# Allegro board 1155001-Timing_board_V3_20241024_1805_pcb.brd (continued)
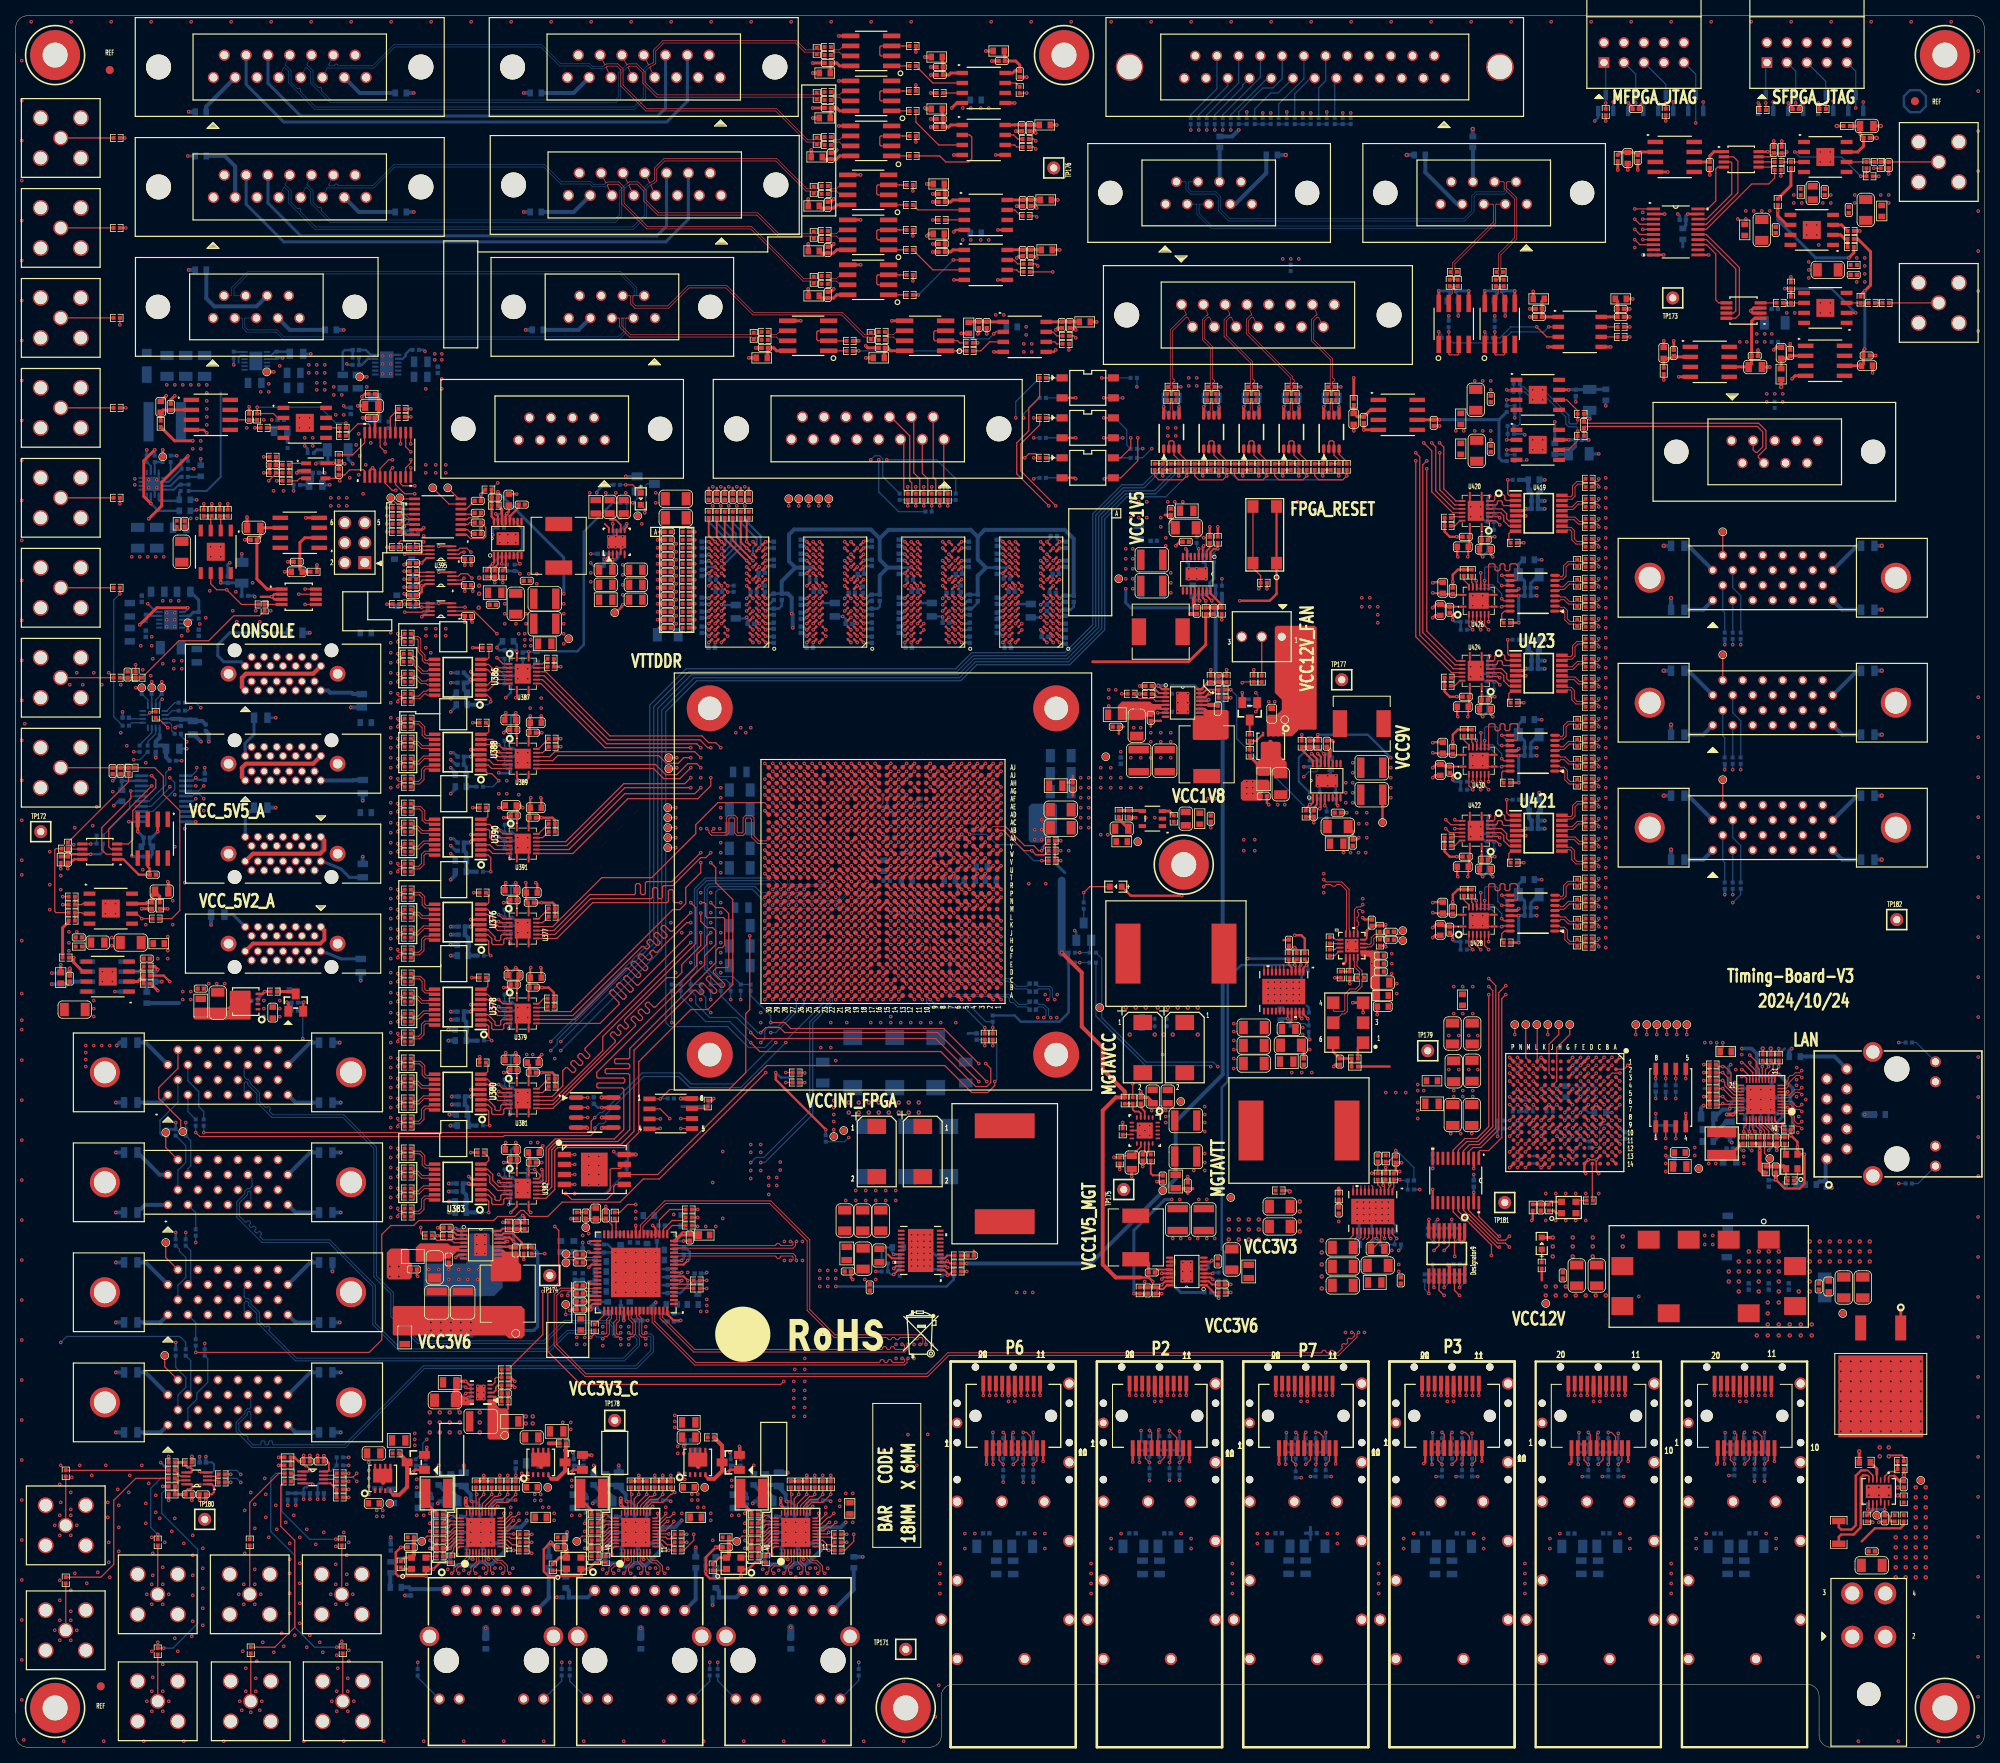
[diagram p0: board, top side]
## Routing (per net, layer and track width the routed paths; a pad name or vN(x,y) marks a point on that pad's centre or on a via; arc(x,y) is an arc through that point) (continued)
FAST_SHUTTER_OUT3-: length 11.2
  TOP w0.157: J103.11 111.14,169.02 113.54,166.62 113.54,160.91 113.79,160.66 113.79,159.79 R2423.1
FPGA_1_25M_OSC_ETH: length 4
  TOP w0.157: U374.37 55.94,26.71 54.5,25.27 C2865.1 R2762.2
FPGA_1_ETH_INTB: length 122.9
  TOP w0.157: U247.E19 v1(106.14,99)
  ART05 w0.102: v1(106.14,99) 106.54,98.6 110.1,98.6 112.81,95.89 112.81,94.47
  ART05 w0.117: v1(52.58,28.45) 54.1,29.97 55.75,29.97 56.13,30.35 56.13,38.48 57.4,39.75 57.4,40.77 58.55,41.91 60.33,41.91 65.39,46.97 86.97,46.97 95,55 104.85,55 105.85,56 105.85,71.18 106.43,71.75 106.43,83.48 112.81,89.87 112.81,94.47
  BOTTOM w0.157: R2745.2 52.58,28.59 v1(52.58,28.45)
FPGA_1_ETH_LED0: length 3.5
  TOP w0.157: v1(54.97,28.75) 55.71,28.75 55.75,28.71 U374.32
  BOTTOM w0.157: R2760.2 54.67,28.45 v1(54.97,28.75) 55.56,29.34 R2771.1
FPGA_1_ETH_LED1: length 30.4
  TOP w0.157: U374.33 55.24,28.3 v1(54.97,28.03)
  ART05 w0.117: v1(54.97,28.03) 55,28.03 58.01,25.02 60.07,25.02 61.72,23.37 63.63,23.37 69.85,17.14 69.85,11.3 v1(69.34,10.79)
  BOTTOM w0.157: R2759.2 54.36,27.43 v1(54.97,28.03) 55.25,28.32 R2770.1 ; R2791.1 v1(69.34,10.79)
FPGA_1_ETH_LED2: length 26.5
  TOP w0.157: U374.34 55.71,27.9 55.13,27.32 v1(54.97,27.32) 54.36,27.32 R2758.2
  ART03 w0.117: v1(54.97,27.32) 54.44,26.8 51.31,26.8 48.39,23.88 48.39,13.46 v1(51.05,10.79)
  BOTTOM w0.157: v1(54.97,27.32) 55.23,27.32 55.24,27.3 R2769.1 ; R2790.1 v1(51.05,10.79)
FPGA_1_ETH_PWR_EN: length 116.3
  TOP w0.157: U247.D18 v1(107.14,98)
  ART03 w0.102: 106.74,94.53 106.74,97.6 v1(107.14,98)
  ART03 w0.117: v1(100.2,49.4) 97.16,52.45 97.16,64.9 106.43,74.17 106.43,90.68 106.74,90.99 106.74,94.53
  ART10 w0.117: v1(100.2,49.4) 100.2,49.15 100.71,48.64 100.71,41.91 98.3,39.5 91.31,39.5 89.61,37.8 83.24,37.8 82.93,38.1 53.21,38.1 v1(52.2,39.12)
  BOTTOM w0.157: R2775.2 51.69,37.48 51.69,38.61 v1(52.2,39.12)
FPGA_1_ETH_RESET_B: length 118.1
  TOP w0.157: v1(65.53,24.64) 65.15,25.02 R2747.2 ; U247.E11 v1(115.14,99)
  ART05 w0.102: v1(115.14,99) 115.54,98.6 118.41,98.6 118.74,98.28 118.74,95.66 119.56,94.84
  ART05 w0.117: 119.56,94.84 121.08,93.32 121.08,89.5 118.72,87.13 118.72,67.54 117.47,66.29 117.47,59.72 106.61,48.86 96.64,48.86 86.86,39.08 73.53,39.08 72.55,38.1 70.36,38.1 69.39,37.13 69.39,28.5 v1(65.53,24.64)
FPGA_1_ETH_TD_M_A: length 9.2
  TOP w0.122: v1(56.26,22.1) 55.98,22.38 55.98,22.66 56.34,23.01 56.63,23.01 57.62,24.01 57.62,24.4 57.65,24.43 U374.2
  ART10 w0.099: J109.3 57.24,19.29 56.86,18.92 56.62,18.84 56.39,18.95 56.21,18.95 56.06,19.1 56.06,19.56 56.14,19.64 56.14,20.43 55.99,20.59 55.99,20.74 56.23,20.99 56.23,21.28 55.99,21.53 55.99,21.82 v1(56.26,22.1)
FPGA_1_ETH_TD_M_B: length 12.5
  TOP w0.122: v1(58.42,22.1) 58.14,22.38 58.14,22.73 58.82,23.41 58.82,24.4 58.86,24.43 U374.5
  ART03 w0.099: v1(58.42,22.1) 58.15,21.82 58.15,21.32 58.75,20.72 58.75,19.66 58.16,19.07 58.16,18.86 58.39,18.63 59.34,18.63 59.66,18.95 60.43,18.95 60.63,18.75 60.73,18.62 60.75,18.58 60.89,18.55 61.39,18.88 62.01,18.88 62.32,19.19 J109.7
FPGA_1_ETH_TD_M_C: length 9.2
  TOP w0.122: U374.7 59.65,24.43 59.62,24.4 59.62,23.69 60.3,23.01 60.3,22.38 v1(60.58,22.1)
  ART10 w0.099: v1(60.58,22.1) 60.31,21.82 60.31,21.55 60.41,21.45 60.98,21.45 61.28,21.15 61.28,19.09 60.88,18.7 60.58,18.54 60.53,18.41 J109.6
FPGA_1_ETH_TD_M_D: length 12.5
  TOP w0.122: U374.10 60.86,24.43 60.82,24.4 60.82,24.15 61.22,23.75 61.75,23.75 62.46,23.04 62.46,22.38 v1(62.74,22.1)
  ART03 w0.099: v1(62.74,22.1) 62.46,21.82 62.46,21.68 62.56,21.59 62.96,21.59 63.54,22.16 64.17,22.16 64.66,21.68 64.66,21.17 63.85,20.36 63.85,19.6 63.59,19.34 63.59,19.05 63.69,18.95 64.01,18.95 64.21,18.85 64.76,18.85 64.86,18.95 J109.9
FPGA_1_ETH_TD_P_A: length 9.3
  TOP w0.122: v1(55.37,22.1) 55.65,22.38 55.65,22.79 56.2,23.34 56.49,23.34 57.29,24.14 57.29,24.4 57.25,24.43 U374.1
  ART10 w0.099: J109.2 56.48,18.41 56.44,18.54 56.31,18.61 56.07,18.61 55.71,18.96 55.71,19.7 55.8,19.78 55.8,20.29 55.65,20.45 55.65,21.82 v1(55.37,22.1)
FPGA_1_ETH_TD_P_B: length 12.6
  TOP w0.122: v1(57.53,22.1) 57.81,22.38 57.81,22.87 58.49,23.55 58.49,24.4 58.46,24.43 U374.4
  ART03 w0.099: J109.4 59,17.29 60.44,18.25 60.44,18.43 60.39,18.5 60.29,18.61 59.8,18.61 59.48,18.29 58.25,18.29 57.82,18.71 57.82,19.21 58.41,19.8 58.41,20.58 57.8,21.18 57.8,21.82 v1(57.53,22.1)
FPGA_1_ETH_TD_P_C: length 9.2
  TOP w0.122: v1(59.69,22.1) 59.97,22.38 59.97,22.88 59.29,23.56 59.29,24.4 59.25,24.43 U374.6
  ART10 w0.099: v1(59.69,22.1) 59.96,21.82 59.96,21.4 60.26,21.1 60.83,21.1 60.93,21 60.93,19.24 60.68,18.98 60.25,18.77 59.89,18.89 59.78,19.05 J109.5
FPGA_1_ETH_TD_P_D: length 12.5
  TOP w0.122: v1(61.85,22.1) 62.13,22.38 62.13,22.9 61.61,23.42 61.09,23.42 60.49,24.02 60.49,24.4 60.46,24.43 U374.9
  ART03 w0.099: J109.8 64.1,18.41 64.07,18.51 64.07,18.51 64.01,18.57 63.93,18.61 63.55,18.61 63.25,18.91 63.25,19.48 63.51,19.74 63.51,20.51 64.32,21.32 64.32,21.53 64.03,21.82 63.68,21.82 63.1,21.24 62.42,21.24 62.12,21.54 62.12,21.82 v1(61.85,22.1)
FPGA_1_RGMII_RX_CLK: length 132.3
  TOP w0.102: U247.H14 v1(112.14,103)
  TOP w0.157: U374.27 58.46,32.04 v1(58.55,32.13) 58.42,32.26 R2764.1
  ART05 w0.102: v1(112.14,103) 112.58,102.56 112.58,99.89 112.94,99.53 113.32,99.53 113.7,99.15 113.7,98.77 113.94,98.53 114.32,98.53 114.6,98.25 114.6,97.87 114.87,97.6 117.11,97.6 117.74,96.97 117.74,95.75 117.96,95.52 117.96,95.1 118.09,94.98
  ART05 w0.117: v1(58.55,32.13) 58.55,31.99 62.68,27.85 66.97,27.85 67.69,28.57 67.69,29.72 68.55,30.57 68.55,37.56 70.1,39.12 72.26,39.12 73.15,40.01 86.59,40.01 96.93,50.34 106.89,50.34 116.62,60.07 116.62,66.69 117.87,67.94 117.87,87.48 119.89,89.49 119.89,93.18 118.09,94.98
  BOTTOM w0.157: v1(58.55,32.13) 58.42,32.26 R2764.1
FPGA_1_RGMII_RX_CTL: length 131.1
  TOP w0.157: U247.E16 v1(110.14,99) ; U374.26 58.86,31.55 v1(59.44,32.13) R2765.1
  ART05 w0.102: 113.23,94.5 113.23,95.76 110.14,98.85 v1(110.14,99)
  ART05 w0.117: v1(59.44,32.13) 58.04,33.53 58.04,40.02 58.66,40.64 59.65,40.64 65.56,46.55 87.15,46.55 95.17,54.57 105.02,54.57 106.81,56.36 106.81,68.9 107.31,69.41 107.31,71.79 107.43,71.91 108.72,71.91 108.84,72.02 108.84,72.26 108.72,72.37 107.43,72.37 107.31,72.49 107.31,72.73 107.43,72.84 108.72,72.84 108.84,72.96 108.84,73.19 108.72,73.31 107.43,73.31 107.31,73.43 107.31,74.08 107.43,74.2 107.96,74.2 108.08,74.32 108.08,74.55 107.96,74.67 107.05,74.67 106.93,74.79 106.93,75.02 107.05,75.14 107.96,75.14 108.08,75.25 108.08,75.49 107.96,75.6 107.05,75.6 106.93,75.72 106.93,75.95 107.05,76.07 107.96,76.07 108.08,76.19 108.08,76.42 107.96,76.54 107.05,76.54 106.93,76.66 106.93,76.89 107.05,77.01 107.96,77.01 108.08,77.12 108.08,77.36 107.96,77.47 107.05,77.47 106.93,77.59 106.93,77.82 107.05,77.94 107.96,77.94 108.08,78.06 108.08,78.29 107.96,78.41 107.43,78.41 107.31,78.52 107.31,80.01 107.7,80.39 107.7,84.16 113.23,89.69 113.23,90.63 113.35,90.75 113.54,90.75 113.66,90.87 113.66,91.1 113.54,91.22 113.35,91.22 113.23,91.33 113.23,94.5 113.23,94.5
  BOTTOM w0.157: R2765.1 v1(59.44,32.13)
FPGA_1_RGMII_RXD0: length 130.7
  TOP w0.157: U374.25 59.25,30.93 v1(60.45,32.13) R2768.1 ; U247.E15 v1(111.14,99)
  ART05 w0.102: v1(111.14,99) 111.14,98.14 113.65,95.62 113.65,94.5
  ART05 w0.117: v1(60.45,32.13) 60.16,32.13 58.46,33.83 58.46,34.12 58.58,34.24 58.85,34.24 58.96,34.35 58.96,34.59 58.85,34.7 58.58,34.7 58.46,34.82 58.46,35.05 58.58,35.17 59.31,35.17 59.43,35.29 59.43,35.52 59.31,35.64 58.58,35.64 58.46,35.75 58.46,35.99 58.58,36.11 59.31,36.11 59.43,36.22 59.43,36.46 59.31,36.57 58.58,36.57 58.46,36.69 58.46,36.92 58.58,37.04 59.31,37.04 59.43,37.16 59.43,37.39 59.31,37.51 58.58,37.51 58.46,37.62 58.46,37.86 58.58,37.97 59.31,37.97 59.43,38.09 59.43,38.33 59.31,38.44 58.58,38.44 58.46,38.56 58.46,38.85 65.74,46.13 87.32,46.13 95.35,54.15 105.2,54.15 107.31,56.27 107.31,67.82 108.58,69.09 108.58,70.99 109.35,71.75 109.35,73.62 109.23,73.74 108.7,73.74 108.58,73.86 108.58,74.09 108.7,74.21 109.23,74.21 109.35,74.32 109.35,74.56 109.23,74.67 108.7,74.67 108.58,74.79 108.58,75.11 108.7,75.23 111.26,75.23 111.38,75.34 111.38,75.58 111.26,75.69 108.7,75.69 108.58,75.81 108.58,80.01 108.97,80.39 108.97,84.83 114.08,89.94 114.08,92.66 113.65,93.09 113.65,94.5
  BOTTOM w0.157: R2768.1 v1(60.45,32.13)
FPGA_1_RGMII_RXD1: length 125.6
  TOP w0.157: U247.A12 v1(114.14,95) ; R2756.2 v1(61.47,32.13) 61.21,31.88 60.83,31.88 59.65,30.7 U374.24
  ART05 w0.117: v1(61.47,32.13) 61.09,32.13 59.88,33.34 59.88,39.67 65.91,45.71 87.5,45.71 95.52,53.73 105.37,53.73 108.33,56.69 108.33,67.18 109.86,68.71 109.86,74.31 109.97,74.42 111.72,74.42 111.84,74.54 111.84,76.4 111.72,76.51 109.46,76.51 109.35,76.63 109.35,76.86 109.46,76.98 111.72,76.98 111.84,77.1 111.84,77.33 111.72,77.45 109.46,77.45 109.35,77.57 109.35,77.8 109.46,77.92 111.72,77.92 111.84,78.03 111.84,78.27 111.72,78.38 109.46,78.38 109.35,78.5 109.35,79.88 109.46,80 110.25,80 110.36,80.12 110.36,85.63 114.5,89.77 114.5,90.68 114.62,90.79 114.82,90.79 114.94,90.91 114.94,91.14 114.82,91.26 114.62,91.26 114.5,91.38 114.5,92.84 114.1,93.24 114.1,94.96 v1(114.14,95)
  BOTTOM w0.157: R2756.2 v1(61.47,32.13)
FPGA_1_RGMII_RXD2: length 128.3
  TOP w0.157: R2755.2 v1(62.48,32.13) 61.85,31.5 60.96,31.5 60.05,30.59 U374.23 ; U247.D14 v1(112.14,98)
  ART05 w0.102: v1(112.14,98) 112.14,97.43 113.96,95.6 114.1,95.6 114.54,95.17 114.54,94.57 114.49,94.53 114.49,94.5
  ART05 w0.117: 114.49,94.5 114.44,94.45 114.44,93.84 115.36,92.92 115.36,90.03 111.51,86.18 111.51,84.95 111.62,84.84 111.95,84.84 112.06,84.72 112.06,84.49 111.95,84.37 111.62,84.37 111.51,84.25 111.51,84.02 111.62,83.9 111.95,83.9 112.06,83.78 112.06,83.55 111.95,83.43 111.62,83.43 111.51,83.32 111.51,83.08 111.62,82.97 111.95,82.97 112.06,82.85 112.06,82.62 111.95,82.5 111.62,82.5 111.51,82.38 111.51,80.39 112.27,79.63 112.27,74.02 112.15,73.91 110.51,73.91 110.39,73.79 110.39,73.55 110.51,73.44 112.15,73.44 112.27,73.32 112.27,73.09 112.15,72.97 110.48,72.97 110.36,72.85 110.36,72.62 110.48,72.5 112.15,72.5 112.27,72.39 112.27,72.15 112.15,72.04 110.48,72.04 110.36,71.92 110.36,71.69 110.48,71.57 111.14,71.57 111.25,71.45 111.25,68.71 108.79,66.24 108.79,56.55 105.55,53.31 95.7,53.31 87.67,45.29 66.09,45.29 60.3,39.5 60.3,33.94 62.1,32.13 v1(62.48,32.13)
  BOTTOM w0.157: R2755.2 v1(62.48,32.13)
FPGA_1_RGMII_RXD3: length 126.1
  TOP w0.157: U247.B12 v1(114.14,96) ; R2752.2 v1(63.5,32.13) 62.48,31.11 61.09,31.11 60.46,30.48 U374.22
  ART05 w0.102: 114.79,94.5 114.79,94.53 114.74,94.57 114.74,95.4 v1(114.14,96)
  ART05 w0.117: 114.79,94.5 114.79,94.16 115.78,93.16 115.78,91.37 115.9,91.25 116.02,91.25 116.13,91.13 116.13,90.9 116.02,90.78 115.9,90.78 115.78,90.66 115.78,89.75 112.79,86.76 112.79,80.1 112.91,79.98 113.04,79.98 113.16,79.87 113.16,79.63 113.04,79.52 112.91,79.52 112.79,79.4 112.79,69.61 109.8,66.62 109.8,56.87 105.82,52.89 95.87,52.89 87.85,44.86 66.26,44.86 62.88,41.48 62.88,41.32 63.62,40.57 63.62,40.41 63.46,40.24 63.29,40.24 62.55,40.99 62.38,40.99 62.22,40.82 62.22,40.65 62.96,39.91 62.96,39.75 62.8,39.58 62.63,39.58 61.89,40.32 61.72,40.32 60.72,39.32 60.72,38.88 60.84,38.76 61.42,38.76 61.54,38.64 61.54,38.41 61.42,38.29 60.84,38.29 60.72,38.18 60.72,37.94 60.84,37.83 61.42,37.83 61.54,37.71 61.54,37.48 61.42,37.36 60.84,37.36 60.72,37.24 60.72,37.01 60.84,36.89 61.42,36.89 61.54,36.77 61.54,36.54 61.42,36.42 60.84,36.42 60.72,36.31 60.72,36.07 60.84,35.96 61.42,35.96 61.54,35.84 61.54,35.61 61.42,35.49 60.84,35.49 60.72,35.37 60.72,34.11 60.91,33.92 61.07,33.92 61.15,34.01 61.32,34.01 61.49,33.84 61.49,33.68 61.4,33.59 61.4,33.43 61.57,33.26 61.73,33.26 61.82,33.34 61.98,33.34 62.15,33.18 62.15,33.01 62.06,32.93 62.06,32.77 62.28,32.55 62.83,32.55 63.26,32.13 v1(63.5,32.13)
  BOTTOM w0.157: R2752.2 v1(63.5,32.13)
FPGA_1_RGMII_TX_CLK: length 118.1
  TOP w0.157: v1(61.98,29.72) 61.98,29.34 61.74,29.11 U374.20 ; U247.C12 v1(114.14,97)
  ART05 w0.102: 117.54,94.68 117.54,96.2 117.24,96.49 117.07,96.49 116.68,96.89 116.68,97.03 116.31,97.4 114.54,97.4 v1(114.14,97)
  ART05 w0.117: v1(61.98,29.72) 61.98,29.15 62.81,28.32 66.4,28.32 66.51,28.44 66.51,28.93 66.4,29.05 65.88,29.05 65.76,29.16 65.76,30.12 66.53,30.89 66.86,30.89 68.07,32.11 68.07,37.72 69.98,39.62 71.88,39.62 72.16,39.91 72.16,40.07 71.95,40.29 71.95,40.45 72.11,40.62 72.28,40.62 72.49,40.4 72.66,40.4 74.99,42.74 88.73,42.74 96.75,50.76 106.69,50.76 112.57,56.64 112.57,66.22 117.45,71.1 117.45,87.66 118.76,88.96 118.76,93.46 117.54,94.68
FPGA_1_RGMII_TX_CTL: length 116.2
  TOP w0.157: U374.19 61.98,28.71 62.87,29.59 v1(62.87,29.72) ; U247.A11 v1(115.14,95)
  ART05 w0.102: 115.14,94.5 v1(115.14,95)
  ART05 w0.117: v1(62.87,29.72) 62.44,30.14 62.44,30.78 62.61,30.94 63.65,30.94 64.09,31.38 64.09,32.3 63.71,32.68 63.71,32.84 64.17,33.3 64.17,33.46 64,33.63 63.84,33.63 63.38,33.17 63.22,33.17 62.99,33.4 62.99,34.96 63.11,35.08 63.23,35.08 63.34,35.2 63.34,35.43 63.23,35.55 63.11,35.55 62.99,35.66 62.99,35.9 63.11,36.01 63.23,36.01 63.34,36.13 63.34,36.36 63.23,36.48 63.11,36.48 62.99,36.6 62.99,37.8 69.64,44.44 88.02,44.44 96.04,52.47 106,52.47 110.23,56.7 110.23,66.42 114.1,70.29 114.1,82.47 114.22,82.58 114.89,82.58 115.01,82.7 115.01,82.93 114.89,83.05 114.22,83.05 114.1,83.17 114.1,83.4 114.22,83.52 114.89,83.52 115.01,83.64 115.01,83.87 114.89,83.99 114.22,83.99 114.1,84.1 114.1,84.34 114.22,84.45 114.89,84.45 115.01,84.57 115.01,84.8 114.89,84.92 114.22,84.92 114.1,85.04 114.1,87.47 116.64,90.01 116.64,92.91 115.14,94.41 115.14,94.5
FPGA_1_RGMII_TXD0: length 122.7
  TOP w0.157: v1(63.88,29.72) 63.45,29.29 63.05,29.29 62.07,28.3 U374.18 ; U247.E14 v1(112.14,99)
  ART05 w0.102: v1(112.14,99) 112.54,98.6 113.4,98.6 113.74,98.26 113.74,96.83 113.97,96.6 115.1,96.6 115.74,95.96 115.74,95.72 115.95,95.5 116.33,95.5 116.54,95.3 116.54,94.28
  ART05 w0.117: 116.54,94.28 117.91,92.91 117.91,89.31 116.61,88 116.61,71.52 111.08,65.99 111.08,56.35 106.35,51.62 96.39,51.62 88.37,43.6 69.99,43.6 67.06,40.67 67.06,38.27 66.94,38.15 66.16,38.15 66.04,38.04 66.04,37.8 66.16,37.69 66.94,37.69 67.06,37.57 67.06,37.34 66.94,37.22 66.16,37.22 66.04,37.1 66.04,36.87 66.16,36.75 66.94,36.75 67.06,36.64 67.06,36.4 66.94,36.29 66.16,36.29 66.04,36.17 66.04,35.93 66.16,35.82 66.94,35.82 67.06,35.7 67.06,35.47 66.94,35.35 66.16,35.35 66.04,35.23 66.04,35 66.16,34.88 66.94,34.88 67.06,34.77 67.06,34.48 65.05,32.48 65.05,31.08 63.88,29.91 v1(63.88,29.72)
FPGA_1_RGMII_TXD1: length 122.3
  TOP w0.157: U374.17 62.28,27.9 v1(63.21,28.83) ; U247.F15 v1(111.14,100)
  ART05 w0.102: v1(111.14,100) 111.59,99.54 111.59,98.97 112.16,98.4 113.3,98.4 113.54,98.17 113.54,96.73 113.87,96.4 114.3,96.4 114.58,96.12 114.58,95.98 115.16,95.4 115.3,95.4 115.7,95 115.7,94.66
  ART05 w0.117: v1(63.21,28.83) 63.37,29 63.37,30 64.63,31.26 64.63,32.65 65.53,33.55 65.53,39.74 69.81,44.02 88.2,44.02 96.22,52.04 106.17,52.04 110.66,56.53 110.66,66.17 116.19,71.7 116.19,79.55 116.07,79.67 115.31,79.67 115.19,79.78 115.19,80.02 115.31,80.13 116.07,80.13 116.19,80.25 116.19,80.49 116.07,80.6 115.31,80.6 115.19,80.72 115.19,80.95 115.31,81.07 116.07,81.07 116.19,81.19 116.19,81.42 116.07,81.54 115.31,81.54 115.19,81.65 115.19,81.89 115.31,82 116.07,82 116.19,82.12 116.19,88.18 117.06,89.05 117.06,89.84 117.18,89.95 117.29,89.95 117.41,90.07 117.41,90.3 117.29,90.42 117.18,90.42 117.06,90.54 117.06,90.77 117.18,90.89 117.29,90.89 117.41,91 117.41,91.24 117.29,91.35 117.18,91.35 117.06,91.47 117.06,93.13 115.7,94.49 115.7,94.66
FPGA_1_RGMII_TXD2: length 119.3
  TOP w0.157: U374.16 62.59,27.5 v1(63.92,28.83) ; U247.C11 v1(115.14,97)
  ART05 w0.102: 117,94.45 116.74,94.72 116.74,96 116.16,96.58 115.56,96.58 v1(115.14,97)
  ART05 w0.117: v1(63.92,28.83) 64.39,29.3 64.39,29.82 65.47,30.91 65.47,32.3 66.4,33.23 66.57,33.23 67.28,32.52 67.45,32.52 67.61,32.69 67.61,32.85 66.9,33.56 66.9,33.73 67.56,34.39 67.56,40.58 70.14,43.16 70.73,43.16 70.85,43.04 70.85,42.03 70.97,41.91 71.2,41.91 71.32,42.03 71.32,43.04 71.43,43.16 71.67,43.16 71.78,43.04 71.78,42.03 71.9,41.91 72.13,41.91 72.25,42.03 72.25,43.04 72.37,43.16 88.55,43.16 96.58,51.18 106.52,51.18 112.14,56.81 112.14,66.42 117.03,71.31 117.03,87.83 118.34,89.14 118.34,93.12 117,94.45
FPGA_1_RGMII_TXD3: length 119.6
  TOP w0.157: U247.D11 v1(115.14,98) ; U374.15 v1(63.25,27.11)
  ART05 w0.102: 119.28,94.5 118.54,95.24 118.54,98.19 118.33,98.4 115.54,98.4 v1(115.14,98)
  ART05 w0.117: v1(63.25,27.11) 64.59,27.11 65.08,26.61 66.87,26.61 68.97,28.71 68.97,37.35 70.23,38.61 72.39,38.61 73.3,39.52 86.71,39.52 97.1,49.92 107.07,49.92 117.04,59.89 117.04,66.47 118.3,67.72 118.3,87.31 120.6,89.61 120.6,93.18 119.28,94.5
FPGA_2_25M_OSC_ETH: length 4
  TOP w0.157: U325.37 75.62,26.71 74.19,25.27 C2615.1 R2488.2
FPGA_2_ETH_INTB: length 102.2
  TOP w0.157: U247.H16 v1(109.14,102)
  ART08 w0.117: v1(109.14,102) 109.64,101.5 109.64,94.14 109.09,93.6 109.09,73.32 108.71,72.94 108.71,58.42 105.79,55.5 89.03,55.5 77.72,44.19 77.72,39.45 75.56,37.29 75.56,30.23 75.39,30.06 73.96,30.06 72.35,28.45 v1(72.26,28.45)
  BOTTOM w0.157: v1(72.26,28.45) 72.26,28.83 72.9,29.46 R2471.2
FPGA_2_ETH_LED0: length 3.5
  TOP w0.157: v1(74.65,28.75) 75.39,28.75 75.43,28.71 U325.32
  BOTTOM w0.157: R2486.2 74.35,28.45 v1(74.65,28.75) 75.24,29.34 R2497.1
FPGA_2_ETH_LED1: length 29.8
  TOP w0.157: U325.33 74.92,28.3 v1(74.65,28.03)
  ART05 w0.117: v1(88.14,10.79) 88.65,11.3 88.65,15.37 86.41,17.6 86.41,19.74 81.76,24.38 78.3,24.38 v1(74.65,28.03)
  BOTTOM w0.157: R2485.2 74.05,27.43 v1(74.65,28.03) 74.94,28.32 R2496.1 ; R2575.1 v1(88.14,10.79)
FPGA_2_ETH_LED2: length 23
  TOP w0.157: R2484.2 74.04,27.32 v1(74.65,27.32) 74.79,27.32 75.37,27.9 U325.34
  ART03 w0.117: v1(70.36,10.79) 69.85,11.3 69.85,17.53 70.87,18.54 70.87,19.54 73.47,22.14 73.47,25.08 74.65,26.26 v1(74.65,27.32)
  BOTTOM w0.157: R2495.1 74.93,27.3 74.91,27.32 v1(74.65,27.32) ; R2573.1 v1(70.36,10.79)
FPGA_2_ETH_PWR_EN: length 104.2
  TOP w0.157: U247.F11 v1(115.14,100)
  ART05 w0.102: 120.62,94.5 120.62,95.33 119.66,96.29 119.66,98.31 118.48,99.49 115.65,99.49 v1(115.14,100)
  ART05 w0.117: v1(70.74,37.47) 72.52,37.47 73.71,38.66 87.04,38.66 96.82,48.44 106.78,48.44 117.89,59.55 117.89,66.07 119.14,67.32 119.14,86.96 121.59,89.41 121.59,93.51 120.62,94.48 120.62,94.5
  BOTTOM w0.356: v1(70.74,37.47) 70.87,37.34 R2536.2
FPGA_2_ETH_RESET_B: length 103.8
  TOP w0.157: U247.J11 v1(115.14,103) ; v1(86.11,27.05) 86.11,26.29 84.84,25.02 R2472.2
  ART08 w0.117: v1(115.14,103) 115.52,103 116.03,102.49 117.35,102.49 117.6,102.23 117.6,95.76 118.87,94.49 118.87,82.55 119.42,82 119.42,59.6 99.69,39.88 88.39,39.88 86.37,37.85 86.37,33.54 84.91,32.09 84.91,30.64 86.15,29.41 86.15,27.09 v1(86.11,27.05)
FPGA_2_ETH_TD_M_A: length 12.4
  TOP w0.122: v1(75.95,22.1) 75.67,22.38 75.67,22.66 76.02,23.01 76.83,23.01 77.3,23.48 77.3,24.4 77.34,24.43 U325.2
  ART10 w0.099: v1(75.95,22.1) 75.67,21.82 75.67,21.55 75.39,21.26 74.7,21.26 74.14,21.82 73.85,21.82 73.75,21.73 73.75,21.44 73.85,21.34 73.93,21.34 75,20.27 75,19.21 75.3,18.91 75.42,18.85 76.19,19.11 76.27,19.22 76.23,19.77 J106.3
FPGA_2_ETH_TD_M_B: length 15.8
  TOP w0.122: U325.5 78.54,24.43 78.51,24.4 78.51,23.41 77.83,22.73 77.83,22.38 v1(78.11,22.1)
  ART03 w0.099: v1(78.11,22.1) 77.79,21.78 77.79,21.55 77.21,20.97 75.2,20.97 75.06,20.82 75.06,19.41 75.55,18.91 76.69,18.91 76.94,19.15 77.62,19.15 77.87,18.91 79.04,18.91 79.5,18.45 79.72,18.4 81.02,19.27 J106.7
FPGA_2_ETH_TD_M_C: length 12.4
  TOP w0.122: U325.7 79.34,24.43 79.3,24.4 79.3,23.69 79.98,23.01 79.98,22.38 v1(80.26,22.1)
  ART10 w0.099: J106.6 79.44,18.26 79.54,18.54 79.65,18.62 79.82,18.62 79.9,18.55 81.67,18.55 82.44,19.32 82.44,20.58 81.46,21.56 80.09,21.56 79.99,21.66 79.99,21.82 v1(80.26,22.1)
FPGA_2_ETH_TD_M_D: length 14.9
  TOP w0.122: U325.10 80.54,24.43 80.51,24.4 80.51,24.15 80.91,23.75 81.43,23.75 82.14,23.04 82.14,22.38 v1(82.42,22.1)
  ART05 w0.099: J106.9 83.69,19.05 83.55,18.86 83.24,18.76 82.94,18.9 81.92,18.9 81.62,18.6 81.13,18.6 80.83,18.9 80.09,18.9 79.99,19 79.99,20.56 79.78,20.77 79.78,21.13 79.88,21.22 80.8,21.22 81.2,20.82 81.85,20.82 82.15,21.12 82.15,21.82 v1(82.42,22.1)
FPGA_2_ETH_TD_P_A: length 12.4
  TOP w0.122: U325.1 76.94,24.43 76.97,24.4 76.97,23.62 76.7,23.34 75.89,23.34 75.34,22.79 75.34,22.38 v1(75.06,22.1)
  ART10 w0.099: J106.2 75.32,18.41 75.27,18.54 75.1,18.63 74.66,19.07 74.66,20.13 73.79,20.99 73.71,20.99 73.41,21.29 73.41,21.87 73.71,22.17 74.28,22.17 74.85,21.6 75.24,21.6 75.33,21.69 75.33,21.82 v1(75.06,22.1)
FPGA_2_ETH_TD_P_B: length 15.7
  TOP w0.122: v1(77.22,22.1) 77.5,22.38 77.5,22.87 78.17,23.55 78.17,24.4 78.14,24.43 U325.4
  ART03 w0.099: J106.4 77.9,17.27 79.17,18.12 79.2,18.26 78.9,18.56 77.72,18.56 77.48,18.81 77.08,18.81 76.84,18.56 75.41,18.56 74.71,19.26 74.71,20.97 75.06,21.31 77.07,21.31 77.44,21.69 77.44,21.87 v1(77.22,22.1)
FPGA_2_ETH_TD_P_C: length 12.5
  TOP w0.122: U325.6 78.94,24.43 78.97,24.4 78.97,23.56 79.65,22.88 79.65,22.38 v1(79.38,22.1)
  ART10 w0.099: J106.5 78.61,19.33 79.02,18.92 79.4,18.92 79.48,18.96 79.97,18.96 80.04,18.89 81.52,18.89 82.1,19.47 82.1,20.44 81.32,21.22 80.93,21.22 80.68,20.98 80.39,20.98 80.14,21.22 79.95,21.22 79.65,21.52 79.65,21.82 v1(79.38,22.1)
FPGA_2_ETH_TD_P_D: length 14.9
  TOP w0.122: U325.9 80.14,24.43 80.17,24.4 80.17,24.02 80.77,23.42 81.3,23.42 81.81,22.9 81.81,22.38 v1(81.53,22.1)
  ART05 w0.099: J106.8 82.94,18.41 82.89,18.54 82.86,18.56 82.06,18.56 81.77,18.26 80.98,18.26 80.69,18.56 79.94,18.56 79.64,18.86 79.64,20.42 79.44,20.63 79.44,21.27 79.74,21.57 80.94,21.57 81.34,21.16 81.71,21.16 81.81,21.26 81.81,21.82 v1(81.53,22.1)
FPGA_2_RGMII_RX_CLK: length 104.5
  TOP w0.157: U247.G13 v1(113.14,101) ; R2490.1 78.11,32.26 v1(78.23,32.13) 78.14,32.04 U325.27
  ART08 w0.102: 110.27,94.5 110.54,94.77 110.54,102.16 110.77,102.4 111.3,102.4 111.65,102.05 111.65,101.9 111.96,101.6 112.54,101.6 v1(113.14,101)
  ART08 w0.117: 110.27,94.5 110.27,73.46 109.7,72.89 109.7,58.78 105.91,54.99 89.3,54.99 78.21,43.89 78.21,39.22 77.5,38.51 77.5,38.35 77.67,38.18 77.67,38.02 77.5,37.85 77.34,37.85 77.17,38.02 77.01,38.02 76.84,37.85 76.84,37.69 76.97,37.56 76.97,37.39 76.8,37.22 76.64,37.22 76.51,37.36 76.34,37.36 76.07,37.08 76.07,34.29 v1(78.23,32.13)
  BOTTOM w0.157: v1(78.23,32.13) 78.11,32.26 R2490.1
FPGA_2_RGMII_RX_CTL: length 104.8
  TOP w0.157: U325.26 78.54,31.55 v1(79.12,32.13) R2491.1 ; U247.G14 v1(112.14,101)
  ART08 w0.102: 111.45,94.5 111.45,94.56 111.54,94.65 111.54,100.4 v1(112.14,101)
  ART08 w0.117: 111.45,94.5 111.45,93.72 111.98,93.2 111.98,84.96 112.71,84.23 112.71,80.14 112.17,79.6 112.17,69.09 110.57,67.48 110.57,58.37 106.34,54.14 92.37,54.14 91.04,52.81 90.87,52.81 90.72,52.96 90.56,52.96 90.39,52.8 90.39,52.63 90.54,52.48 90.54,52.32 90.32,52.09 90.15,52.09 89.43,52.81 89.26,52.81 89.1,52.65 89.1,52.48 89.82,51.76 89.82,51.59 89.65,51.43 89.49,51.43 88.77,52.15 88.6,52.15 88.44,51.99 88.44,51.82 89.16,51.1 89.16,50.93 88.99,50.77 88.83,50.77 88.1,51.49 87.94,51.49 79.23,42.78 79.23,37.95 77.6,36.31 77.6,34.12 79.12,32.6 v1(79.12,32.13)
  BOTTOM w0.157: R2491.1 v1(79.12,32.13)
FPGA_2_RGMII_RXD0: length 102.3
  TOP w0.157: U247.E13 v1(113.14,99) ; U325.25 78.94,30.93 v1(80.14,32.13) R2494.1
  ART08 w0.102: 112.61,94.5 112.61,94.91 112.54,94.98 112.54,98.4 v1(113.14,99)
  ART08 w0.117: 112.61,94.5 112.61,93.76 113.25,93.12 113.25,91.51 113.37,91.4 113.56,91.4 113.68,91.28 113.68,91.05 113.56,90.93 113.37,90.93 113.25,90.81 113.25,86.11 113.37,85.99 113.56,85.99 113.68,85.88 113.68,85.64 113.56,85.53 113.37,85.53 113.25,85.41 113.25,85.08 115.15,83.19 115.15,70.44 112.01,67.31 112.01,58.29 106.91,53.19 92.68,53.19 88.01,48.52 87.85,48.52 87.13,49.23 86.97,49.23 86.69,48.96 86.69,48.79 86.9,48.58 86.9,48.42 86.74,48.25 86.57,48.25 86.36,48.46 86.19,48.46 80.07,42.34 80.07,37.38 78.56,35.87 78.56,35.62 78.67,35.5 79.08,35.5 79.2,35.39 79.2,35.15 79.08,35.04 78.67,35.04 78.56,34.92 78.56,34.37 80.14,32.79 v1(80.14,32.13)
  BOTTOM w0.157: R2494.1 v1(80.14,32.13)
FPGA_2_RGMII_RXD1: length 104
  TOP w0.157: U325.24 79.34,30.7 80.52,31.88 80.9,31.88 v1(81.15,32.13) R2482.2 ; U247.F13 v1(113.14,100)
  ART08 w0.102: 113.5,94.5 113.5,94.71 113.54,94.74 113.54,99.6 v1(113.14,100)
  ART08 w0.117: v1(81.15,32.13) 81.15,33.04 80.16,34.03 80.16,35.99 81.04,36.88 81.04,42.05 83.82,44.83 85.6,44.83 85.78,45.02 85.78,45.18 85.12,45.84 85.12,46.01 85.29,46.17 85.45,46.17 86.11,45.51 86.28,45.51 86.44,45.68 86.44,45.84 85.78,46.5 85.78,46.67 85.95,46.83 86.11,46.83 86.78,46.17 86.94,46.17 93.09,52.32 107.95,52.32 112.88,57.25 112.88,66.27 116.05,69.44 116.05,83.48 114.52,85.01 114.52,93.04 113.5,94.06 113.5,94.5
  BOTTOM w0.157: R2482.2 v1(81.15,32.13)
FPGA_2_RGMII_RXD2: length 102.8
  TOP w0.157: U325.23 79.74,30.59 80.64,31.5 81.53,31.5 v1(82.17,32.13) R2481.2 ; U247.F12 v1(114.14,100)
  ART08 w0.117: v1(82.17,32.13) 82.17,33.49 81.59,34.07 81.59,35.82 82.3,36.53 82.3,36.81 82.18,36.93 82,36.93 81.89,37.04 81.89,37.28 82,37.39 82.18,37.39 82.3,37.51 82.3,37.74 82.18,37.86 82,37.86 81.89,37.98 81.89,38.21 82,38.33 82.18,38.33 82.3,38.44 82.3,38.68 82.18,38.79 82,38.79 81.89,38.91 81.89,39.15 82,39.26 82.18,39.26 82.3,39.38 82.3,39.61 82.18,39.73 82,39.73 81.89,39.85 81.89,40.08 82,40.2 82.36,40.2 82.47,40.31 82.47,40.55 82.36,40.66 82.03,40.66 81.91,40.78 81.91,41.01 82.03,41.13 82.18,41.13 82.3,41.25 82.3,41.63 84.48,43.81 86.43,43.81 93.99,51.37 108.27,51.37 116.89,59.99 116.89,83.83 115.79,84.93 115.79,93.63 114.64,94.79 114.64,99.5 v1(114.14,100)